# Altium PCB HIVE_SIGHT.PcbDoc (part 1 of 4)
Units mil, origin at the board's own origin, x right, y up, seen from the top; angles counter-clockwise.
Board outline 2755.91 x 4245.66 mil, 4 copper layers (Top, GND, PWR, Bottom), stack 60.394 mil thick; 270 components, 195 nets, 1094 pads, 396 vias.
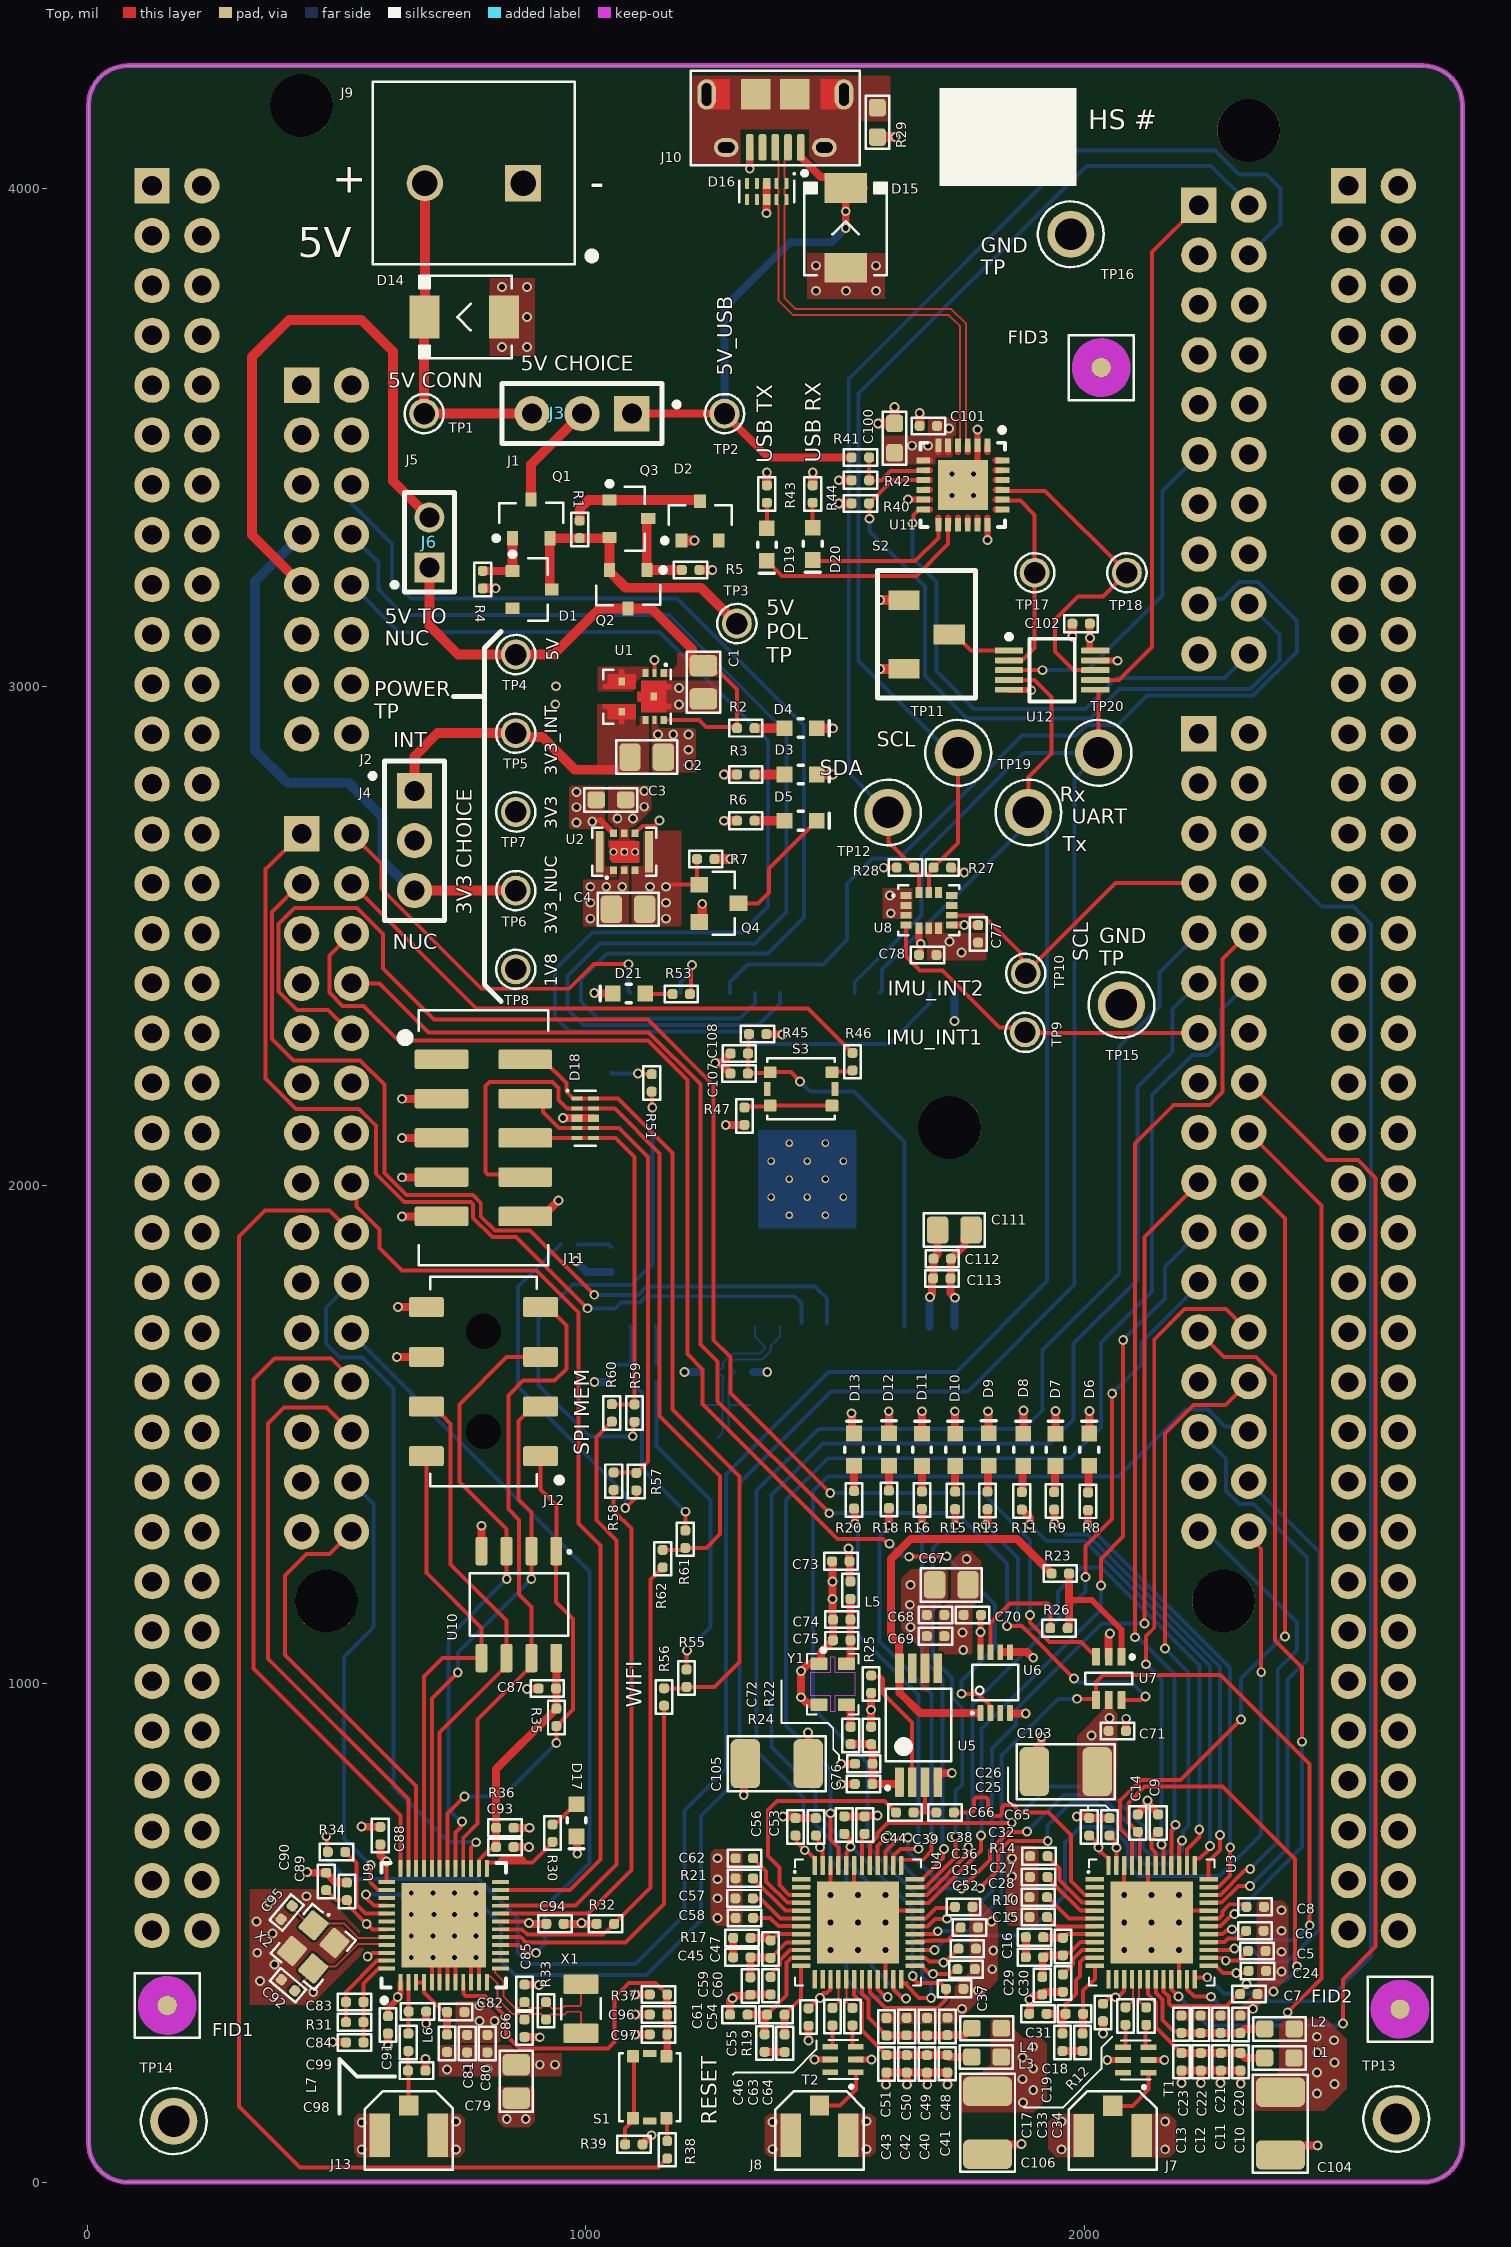
[diagram p0: Top view]
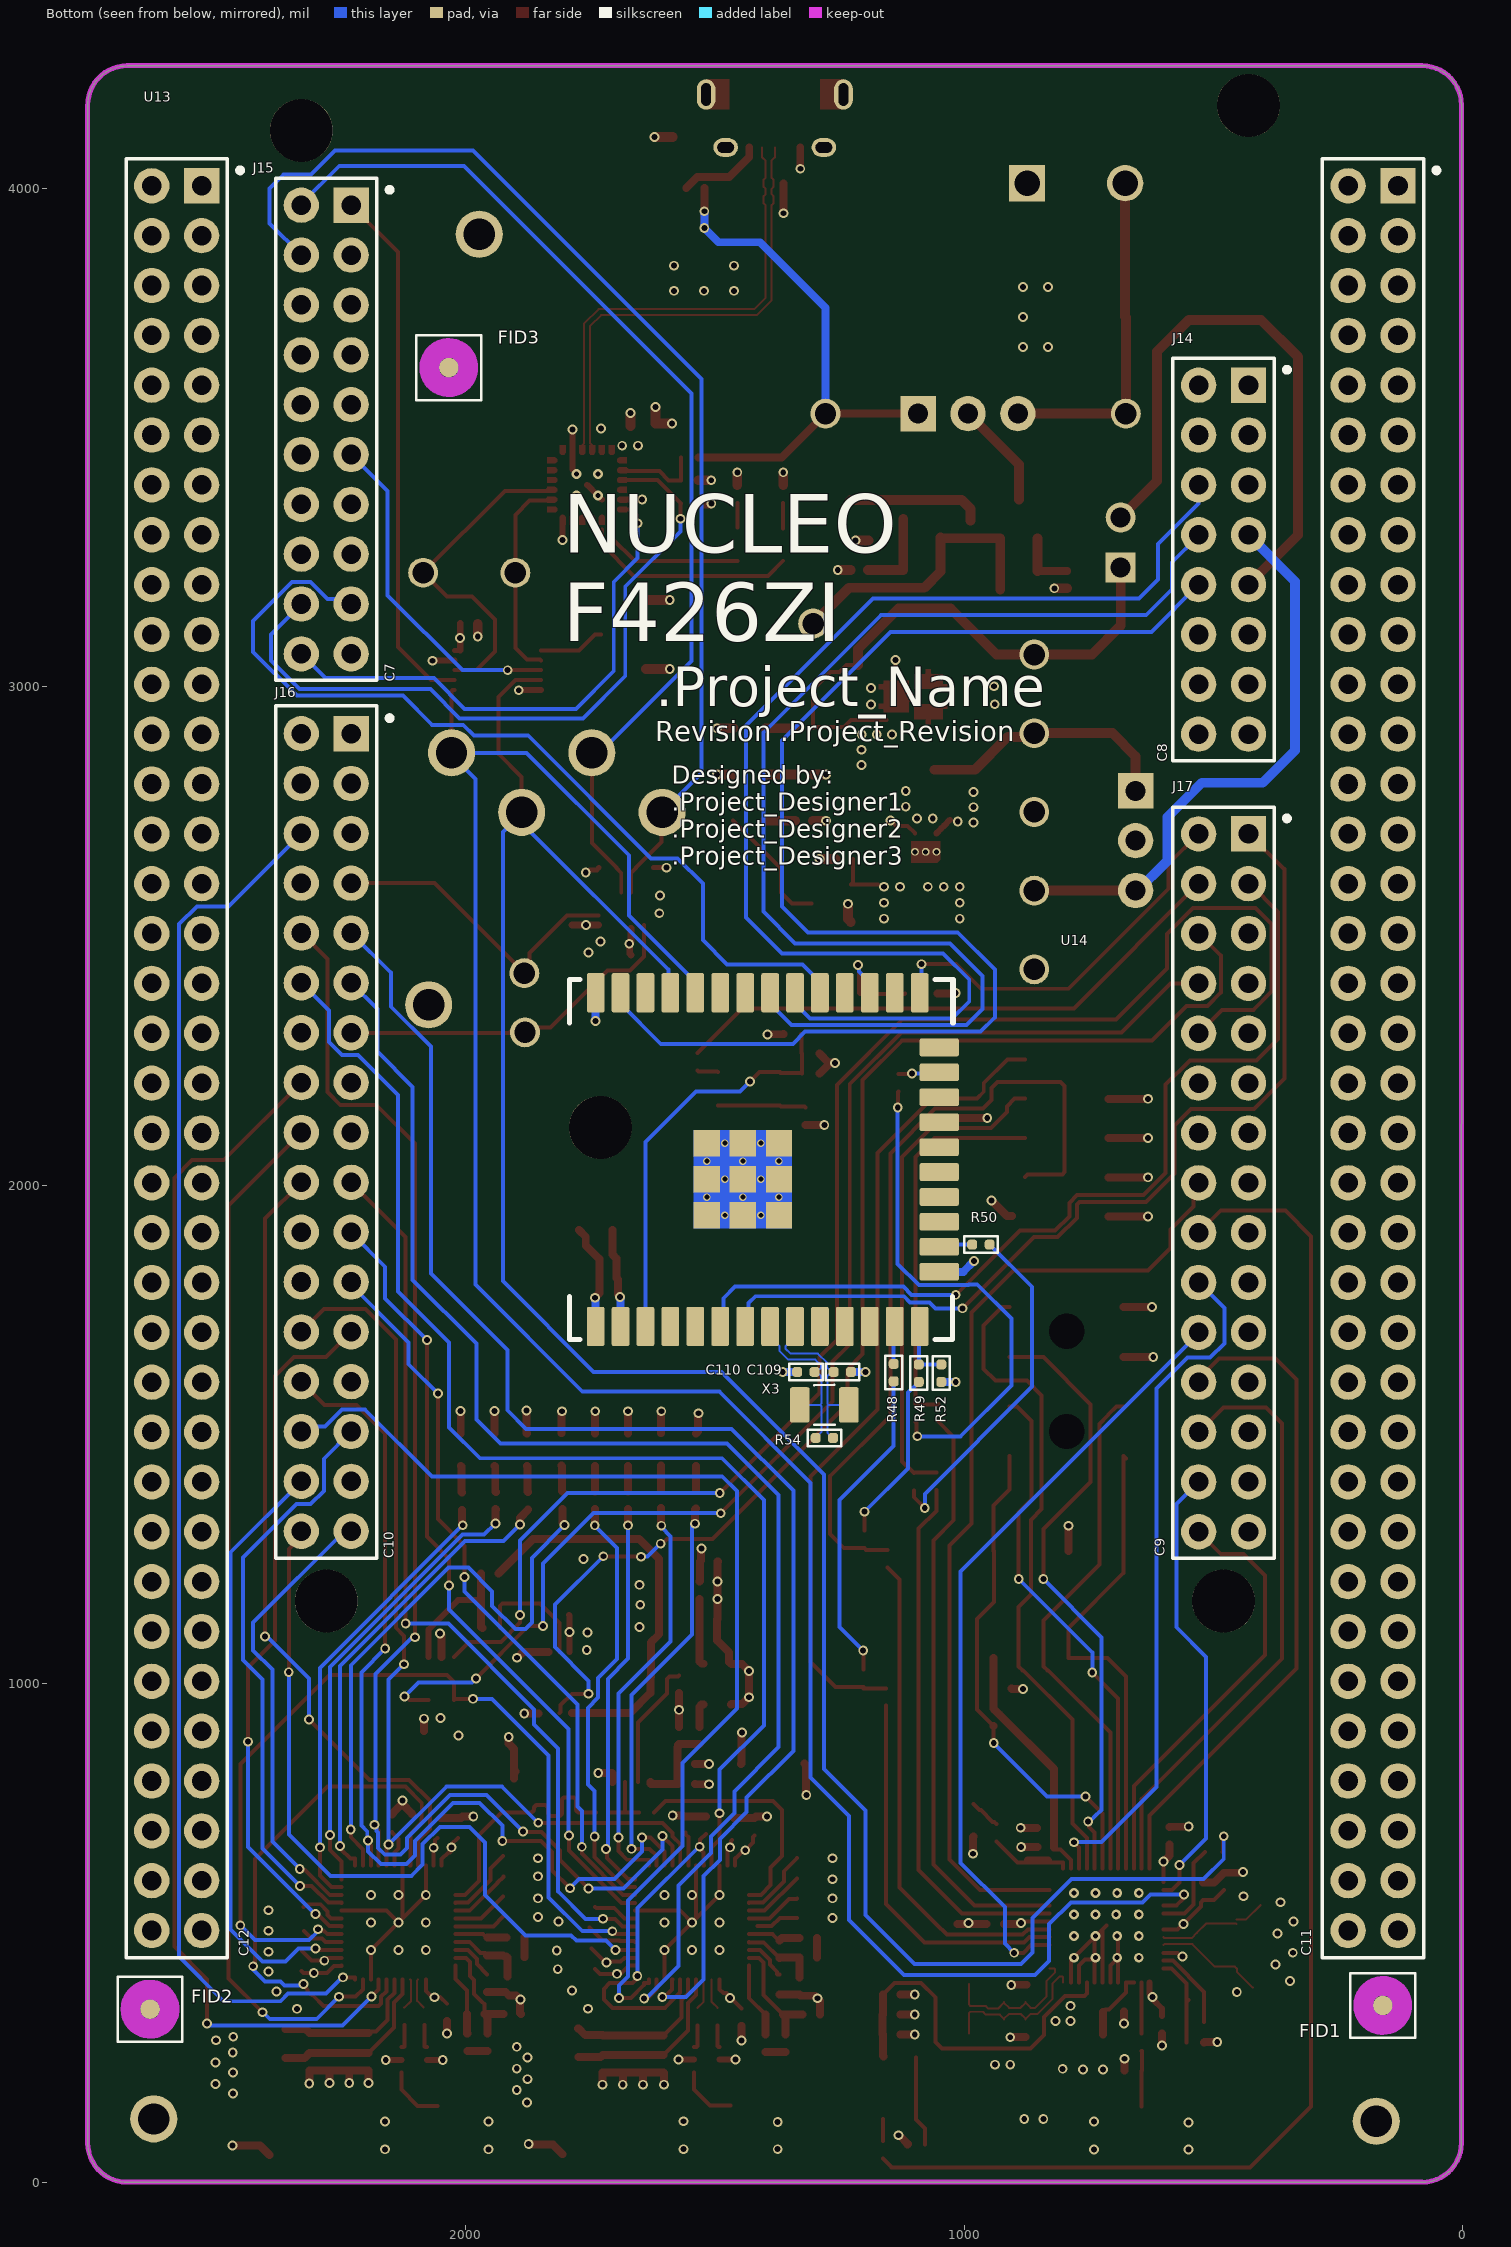
[diagram p1: Bottom view, seen from below]
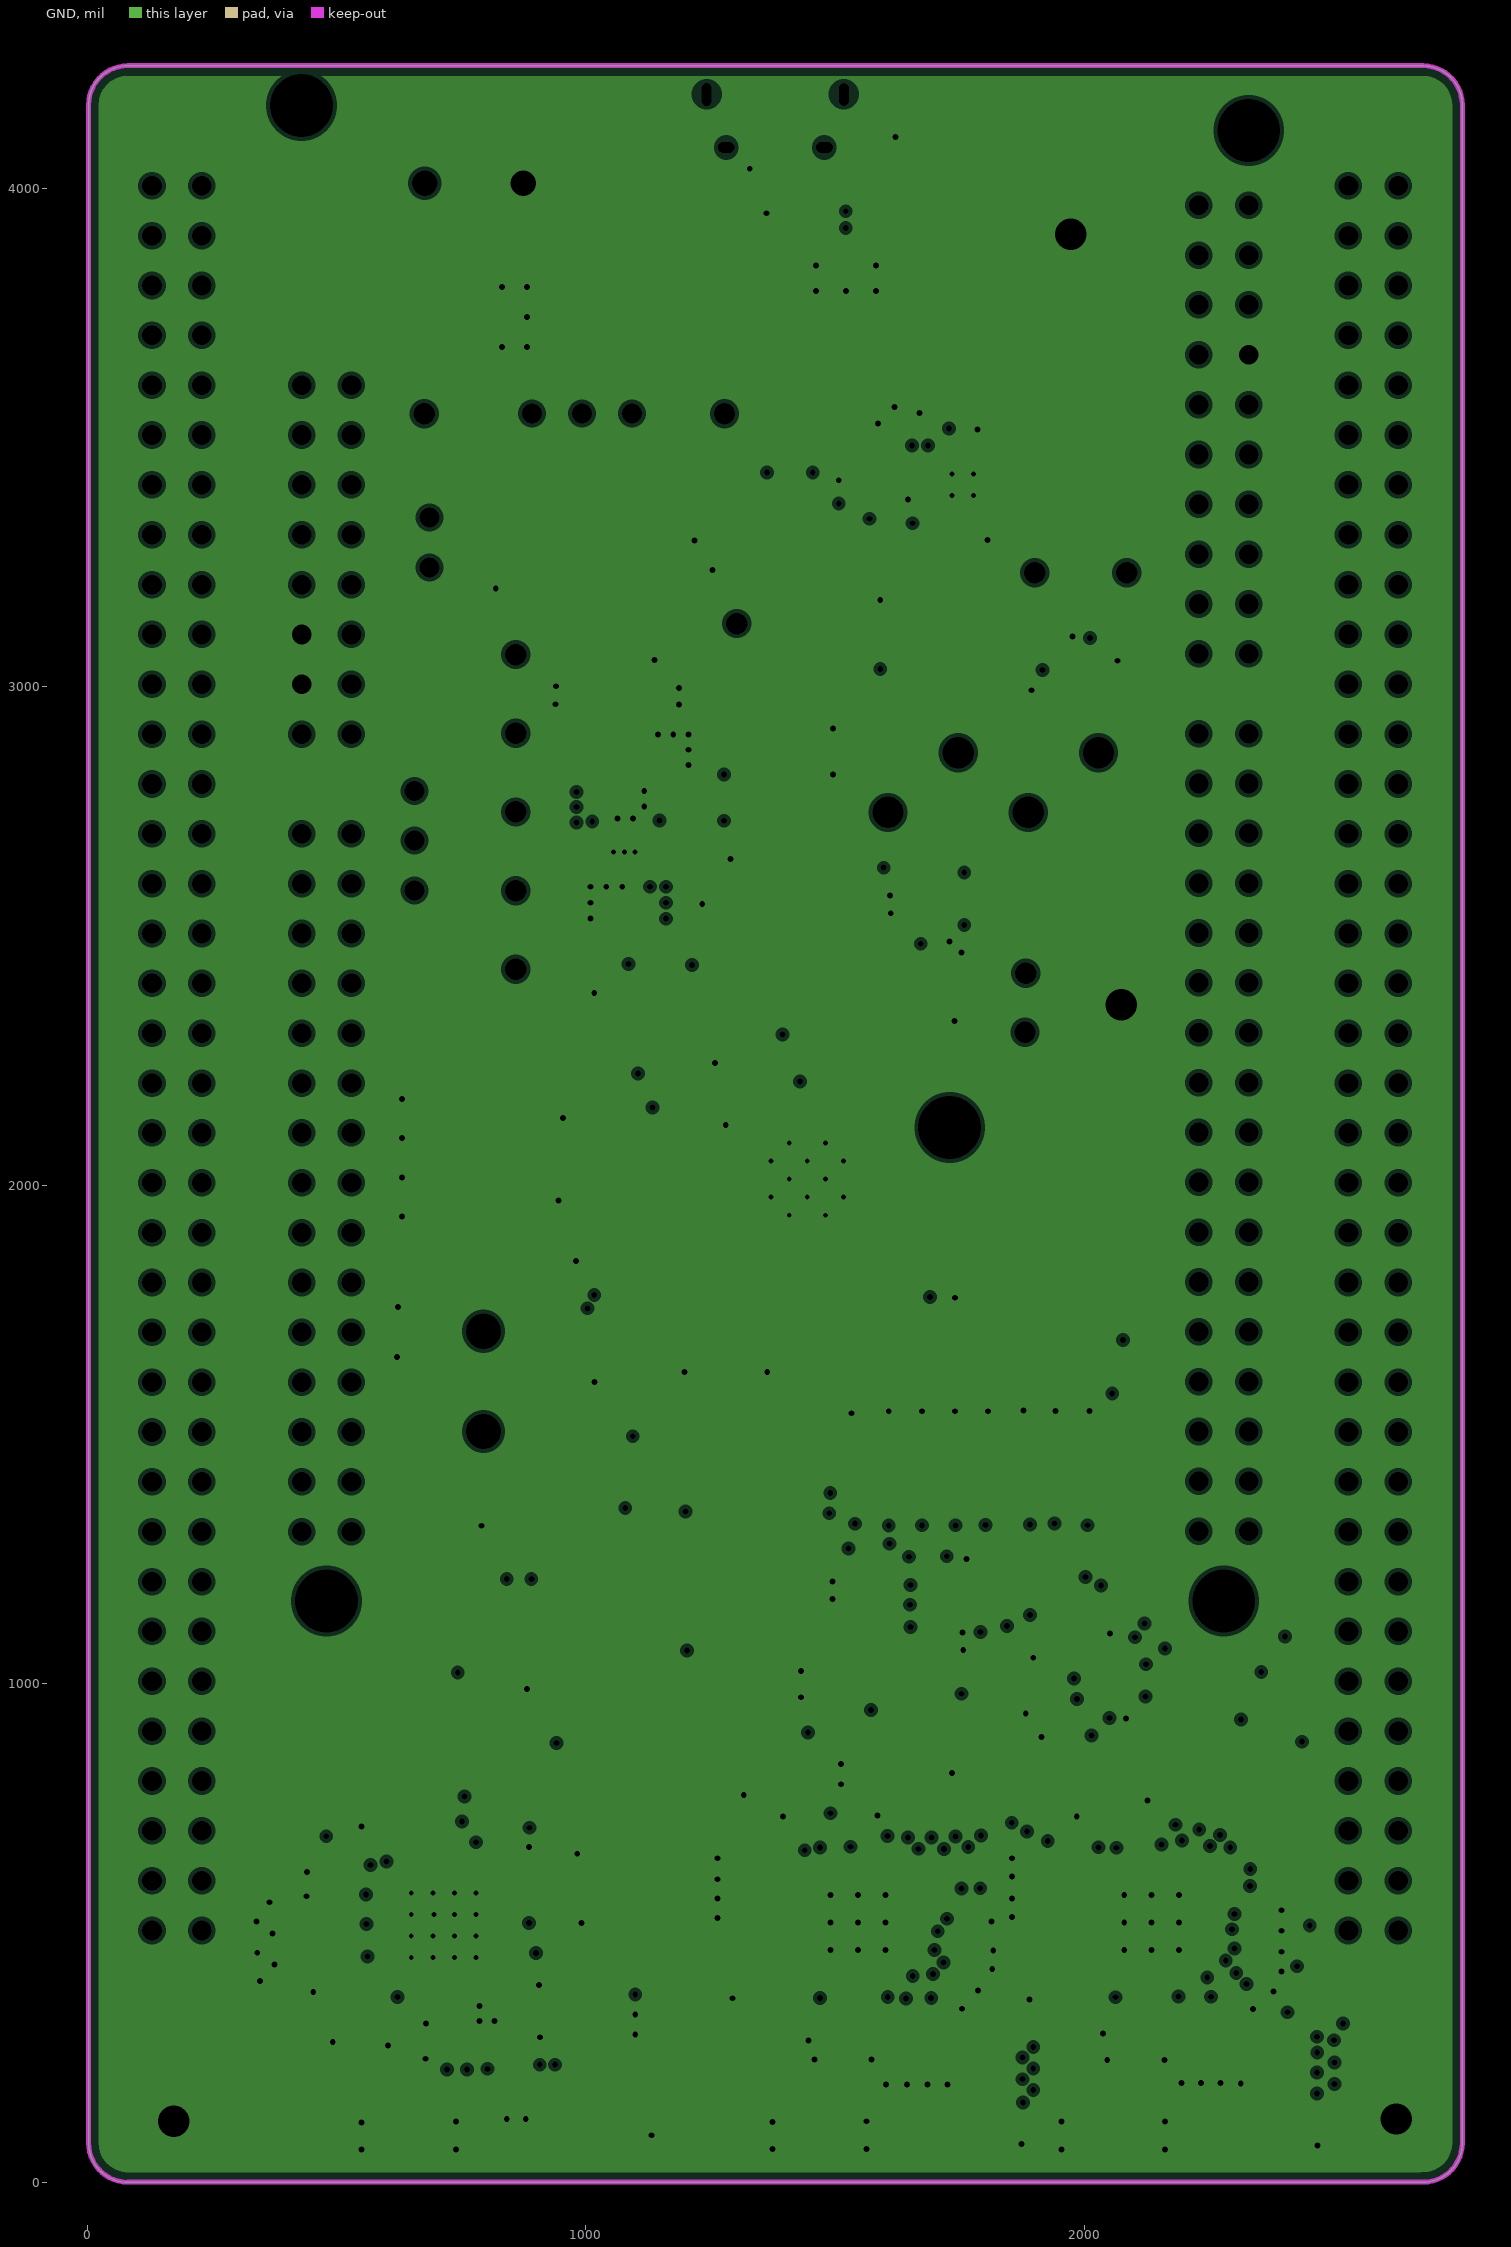
[diagram p2: GND, clearances drawn from the general rule]
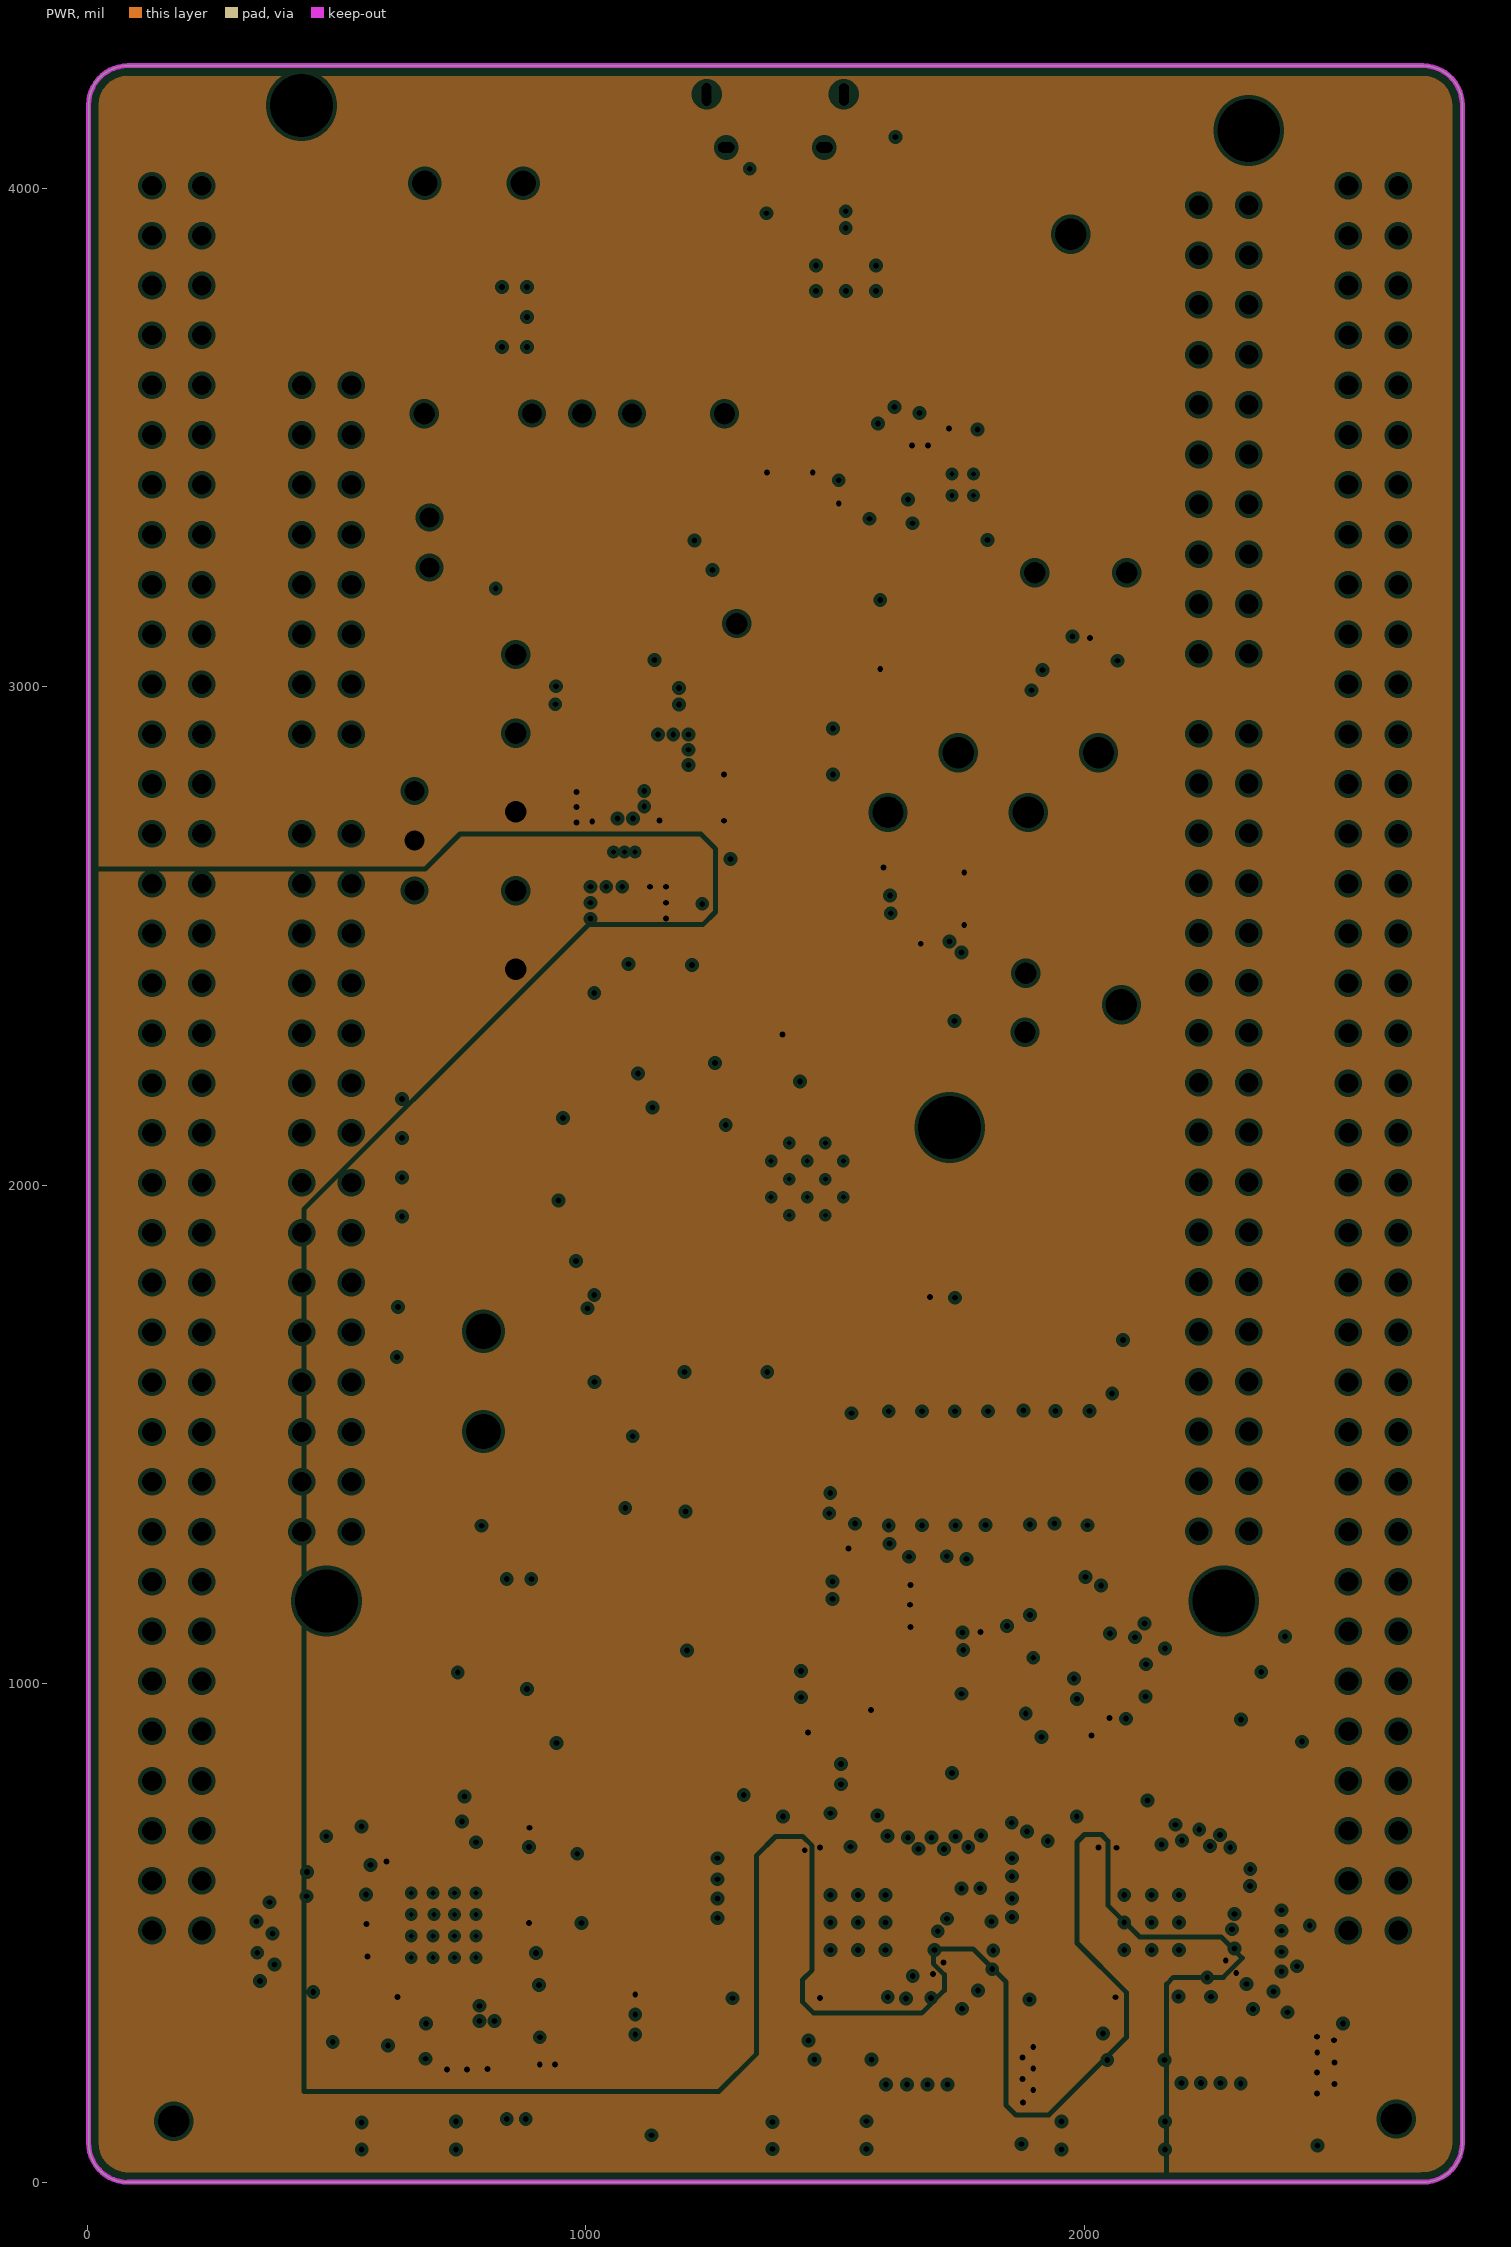
[diagram p3: PWR, clearances drawn from the general rule]